# KiCad board poly_kb_wave_left.kicad_pcb (continued)
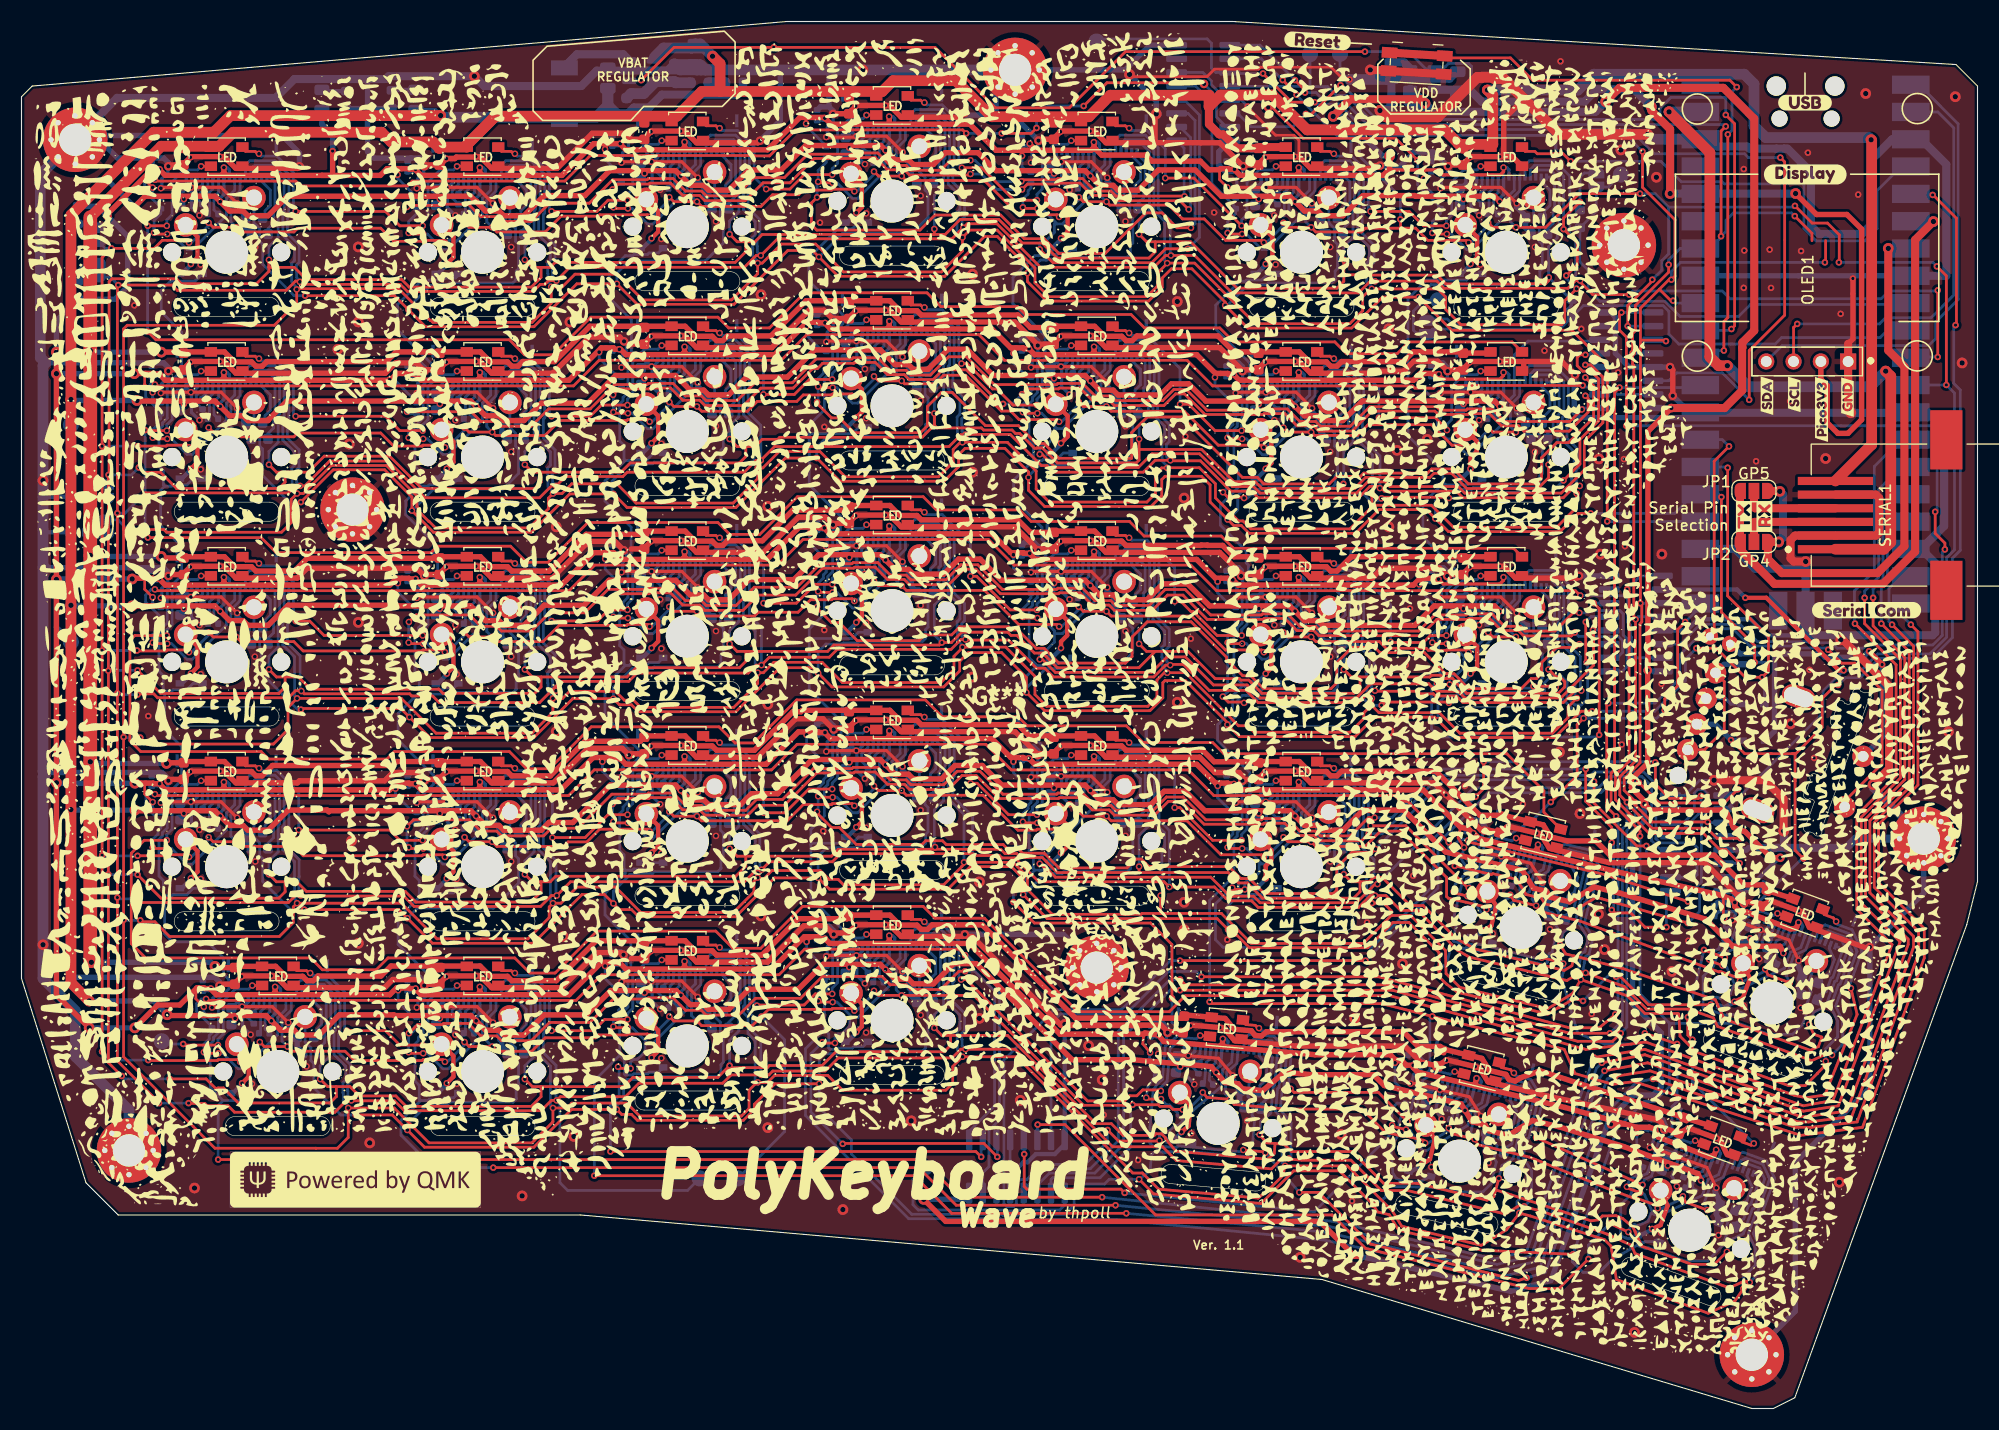
[diagram p0: board, top side]
## Routing (per net, layer and track width the routed paths; a pad name or vN(x,y) marks a point on that pad's centre or on a via; arc(x,y) is an arc through that point) (continued)
/K_3/LED_DIN: length 27
  Top w0.254: v3(87.5,115.4) 89.33,115.4 92.36,112.38 v3(94.48,112.38) ; LED5.2 98.58,117.92 v3(97.68,117.92) ; v3(84.01,121.46) 83.88,121.46 83.66,121.69 82.76,121.69 82.37,122.08
  Bottom w0.254: v3(87.5,115.4) 87.21,115.69 87.21,119.7 85.67,121.24 84.23,121.24 v3(84.01,121.46) ; v3(97.68,117.92) 97.34,117.58 96.1,117.58 94.98,116.47 94.98,113.42 94.48,112.93 v3(94.48,112.38)
/K_3/SW-D: length 5.8
  Top w0.4: v3(77.67,111.21) 78.2,111.74 78.2,113.84 SW_K_4.2
  Bottom w0.25: 76.6,110.27 76.81,110.27
  Bottom w0.4: v3(77.67,111.21) 77.67,111.14 76.81,110.27
/K_3/VCOMH: length 4.2
  Bottom w0.254: CONN4.15 84.25,118.9 85.07,118.09 85.07,116.65 84.57,116.16 84.57,115.61
/K_4/C1N: length 3.8
  Bottom w0.254: C6_5.2 98.87,113.87 98.87,115.06 99.3,115.49 CONN5.7
/K_4/C1P: length 3.6
  Bottom w0.254: C6_5.1 98.45,113.63 98.45,115.49 98.76,115.8 98.76,116.87 CONN5.6
/K_4/C2N: length 1.8
  Bottom w0.254: C5_5.2 97.81,115.51 98.3,116 CONN5.5
/K_4/C2P: length 3
  Bottom w0.254: C5_5.1 97.23,114.96 97.23,115.65 97.8,116.22 CONN5.4
/K_4/CS: length 49.1
  Top w0.254: v3(94.74,107.81) 95.99,106.57 105.16,106.57 106.45,107.86 v3(108.53,107.86) ; v3(94.53,111.62) 93.28,111.62 v3(93.18,111.72)
  Bottom w0.254: v3(108.53,107.86) 109.6,108.93 109.6,120.31 108.18,121.73 U4.4 ; v3(93.18,111.72) 93.18,112.47 93.66,112.96 93.66,113.26 93.93,113.52 R1_5.2 ; v3(94.53,111.62) 94.93,111.62 96.37,110.18 ; CONN5.10 100.8,115.69 100.04,114.93 100.04,113.35 96.86,110.18 96.11,110.18 96.11,109.39 95.38,108.66 95.02,108.66 94.74,108.38 v3(94.74,107.81)
/K_4/LED_DIN: length 26.2
  Top w0.254: v3(116.72,115.54) 117.63,115.54 LED6.2 ; 101.42,119.7 101.81,119.3 102.71,119.3 102.93,119.08 v3(103.06,119.08) ; v3(113.53,110) 109.09,114.44 v3(106.43,114.44)
  Bottom w0.254: v3(106.43,114.44) 106.43,117.16 104.72,118.86 103.28,118.86 v3(103.06,119.08) ; v3(116.72,115.54) 116.39,115.2 115.15,115.2 114.03,114.09 114.03,111.04 113.53,110.55 v3(113.53,110)
/K_4/SW-D: length 5.9
  Top w0.4: SW_K_5.2 97.34,111.36 97.34,109.45 v3(96.72,108.83)
  Bottom w0.25: 95.65,107.89 95.86,107.89
  Bottom w0.4: v3(96.72,108.83) 96.72,108.76 95.86,107.89
/K_4/VCOMH: length 4.2
  Bottom w0.254: CONN5.15 103.3,116.52 104.14,115.68 104.14,114.3 103.62,113.77 103.62,113.23
/K_5/C1N: length 3.8
  Bottom w0.254: CONN6.7 118.35,113.11 117.92,112.68 117.92,111.49 C6_6.2
/K_5/C1P: length 3.6
  Bottom w0.254: CONN6.6 117.81,114.49 117.81,113.42 117.5,113.11 117.5,111.25 C6_6.1
/K_5/C2N: length 1.8
  Bottom w0.254: C5_6.2 116.86,113.13 117.35,113.62 CONN6.5
/K_5/C2P: length 3
  Bottom w0.254: C5_6.1 116.28,112.58 116.28,113.27 116.85,113.84 CONN6.4
/K_5/CS: length 30
  Top w0.254: v3(113.58,109.24) 112.33,109.24 v3(112.22,109.34)
  Bottom w0.25: R1_6.2 112.97,111.71 110.76,113.92 110.76,121.48 109.24,123 U4.5
  Bottom w0.254: R1_6.2 112.97,111.14 112.22,110.39 v3(112.22,109.34) ; CONN6.10 119.85,113.31 119.09,112.55 119.09,110.97 115.91,107.8 115.42,107.8 113.98,109.24 v3(113.58,109.24)
/K_5/LED_DIN: length 25.6
  Top w0.254: v3(132.58,110) 130.46,110 129.12,111.34 v3(125.53,111.34) ; LED7.2 136.68,115.54 v3(135.78,115.54) ; v3(122.11,116.7) 121.98,116.7 121.76,116.92 120.86,116.92 120.47,117.32
  Bottom w0.254: v3(132.58,110) 132.58,110.55 133.08,111.04 133.08,114.09 134.2,115.2 135.44,115.2 v3(135.78,115.54) ; v3(122.11,116.7) 122.33,116.48 123.77,116.48 125.31,114.94 125.31,111.55 v3(125.53,111.34)
/K_5/SW-D: length 5.9
  Top w0.4: SW_K_6.2 116.39,108.98 116.39,107.07 v3(115.77,106.45)
  Bottom w0.25: 114.7,105.51 114.91,105.51
  Bottom w0.4: v3(115.77,106.45) 115.77,106.37 114.91,105.51
/K_5/VCOMH: length 4.2
  Bottom w0.254: CONN6.15 122.35,114.14 123.17,113.32 123.17,111.89 122.67,111.39 122.67,110.84
/K_A/C1N: length 3.8
  Bottom w0.254: C6_16.2 41.72,73.39 41.72,74.58 42.15,75.01 CONN16.7
/K_A/C1P: length 3.6
  Bottom w0.254: CONN16.6 41.61,76.39 41.61,75.32 41.3,75.01 41.3,73.15 C6_16.1
/K_A/C2N: length 1.8
  Bottom w0.254: C5_16.2 40.66,75.03 41.15,75.52 CONN16.5
/K_A/C2P: length 3
  Bottom w0.254: CONN16.4 40.65,75.74 40.08,75.17 40.08,74.48 C5_16.1
/K_A/CS: length 147.7
  Top w0.254: v3(37.38,71.14) 36.13,71.14 v3(36.02,71.24) ; v3(144.95,74.01) 144.38,74.01 142.68,72.31 139.91,72.31 139.46,72.75 137.99,72.75 136.83,73.91 134.53,73.91 134.42,73.8 131.5,73.8 130,72.31 120.86,72.31 120.41,72.75 118.94,72.75 117.78,73.91 115.48,73.91 115.37,73.8 110.65,73.8 108.28,76.17 106.42,76.17 104.93,74.69 101.81,74.69 101.36,75.13 99.89,75.13 98.73,76.29 96.43,76.29 96.32,76.19 91.27,76.19 88.98,78.47 87.42,78.47 86.01,77.07 82.76,77.07 82.31,77.51 80.84,77.51 79.68,78.68 77.38,78.68 77.27,78.57 74.33,78.57 72.16,76.39 68.18,76.39 66.48,74.69 63.71,74.69 63.26,75.13 61.79,75.13 60.63,76.29 58.33,76.29 58.22,76.19 54.57,76.19 52.39,74.01 49.13,74.01 47.43,72.31 44.66,72.31 44.21,72.75 42.74,72.75 41.69,73.8 36.7,73.8 v3(36.05,73.15)
  Bottom w0.254: v3(144.95,74.01) 145.7,74.01 145.9,74.21 148.73,74.21 149.03,73.91 149.03,71.94 149.38,71.59 149.38,68.99 148.95,68.55 U6.1 ; R1_16.2 36.38,73.49 v3(36.05,73.15) 36.02,73.13 v3(36.02,71.24) ; v3(37.38,71.14) 37.78,71.14 39.22,69.7 39.71,69.7 42.89,72.87 42.89,74.45 43.65,75.21 CONN16.10
/K_A/LED_DIN: length 25.5
  Top w0.254: v3(56.38,74.28) 54.62,74.28 53.59,73.25 49.33,73.25 v3(49.32,73.24) ; v3(45.91,78.6) 45.78,78.6 45.56,78.82 44.66,78.82 44.26,79.22 ; 60.49,79.82 60.48,79.82 v3(59.57,79.82)
  Bottom w0.254: v3(45.91,78.6) 46.13,78.38 47.57,78.38 49.11,76.84 49.11,73.45 v3(49.32,73.24) ; v3(59.57,79.82) 59.24,79.48 58,79.48 56.88,78.37 56.88,75.32 56.38,74.83 v3(56.38,74.28)
/K_A/LED_DOUT: length 30.4
  Top w0.254: LED16.2 41.43,77.44 v3(40.52,77.44) ; 20.45,79.22 20.85,78.82 21.75,78.82 21.97,78.6 v3(22.1,78.6) ; v3(25.51,73.24) 26.82,73.24 28.16,71.9 v3(37.33,71.9)
  Bottom w0.254: v3(37.33,71.9) 37.33,72.45 37.83,72.94 37.83,75.99 38.95,77.1 40.19,77.1 v3(40.52,77.44) ; v3(22.1,78.6) 22.32,78.38 23.76,78.38 25.3,76.84 25.3,73.45 v3(25.51,73.24)
/K_A/SW-D: length 5.9
  Top w0.4: v3(39.57,68.35) 40.19,68.97 40.19,70.88 SW_K_16.2
  Bottom w0.25: 38.5,67.41 38.71,67.41
  Bottom w0.4: 38.71,67.41 39.57,68.27 v3(39.57,68.35)
/K_A/VCOMH: length 4.2
  Bottom w0.254: 46.47,72.74 46.47,73.29 46.97,73.79 46.97,75.22 46.15,76.04 CONN16.15
/K_B1/C1N: length 3.8
  Bottom w0.254: CONN29.7 23.1,36.91 22.67,36.48 22.67,35.29 C6_29.2
/K_B1/C1P: length 3.6
  Bottom w0.254: CONN29.6 22.56,38.29 22.56,37.22 22.25,36.91 22.25,35.05 C6_29.1
/K_B1/C2N: length 1.8
  Bottom w0.254: C5_29.2 21.61,36.93 22.1,37.42 CONN29.5
/K_B1/C2P: length 3
  Bottom w0.254: CONN29.4 21.6,37.64 21.03,37.07 21.03,36.38 C5_29.1
/K_B1/CS: length 116.2
  Top w0.254: v3(16.98,33.14) 17.07,33.04 v3(18.32,33.04) ; v3(17.18,38.09) 17.3,37.96 51.61,37.96 53.99,40.34 70.49,40.34 72.87,42.72 87.23,42.72 v3(87.8,42.16)
  Bottom w0.25: 16.31,36.92 17.73,35.51 R1_29.2
  Bottom w0.254: R1_29.2 17.73,34.94 17.46,34.67 17.46,34.38 16.98,33.89 v3(16.98,33.14) ; 16.31,36.92 16.3,36.93 16.3,37.65 16.73,38.09 v3(17.18,38.09) ; CONN29.10 24.6,37.11 23.84,36.35 23.84,34.77 20.66,31.6 20.17,31.6 18.73,33.04 v3(18.32,33.04) ; U8.15 89.45,21.92 90.02,22.5 90.02,25.88 91,26.86 91,39.15 88,42.16 v3(87.8,42.16)
/K_B1/LED_DIN: length 25.6
  Top w0.254: v3(37.33,33.8) 35.21,33.8 33.87,35.14 v3(30.27,35.14) ; LED30.2 41.43,39.34 v3(40.52,39.34) ; 25.21,41.12 25.61,40.72 26.51,40.72 26.73,40.5 v3(26.86,40.5)
  Bottom w0.254: v3(30.27,35.14) 30.06,35.35 30.06,38.74 28.52,40.28 27.08,40.28 v3(26.86,40.5) ; v3(37.33,33.8) 37.33,34.35 37.83,34.84 37.83,37.89 38.95,39 40.19,39 v3(40.52,39.34)
/K_B1/LED_DOUT: length 13.9
  Top w0.254: v4(15.05,33.9) 15.15,33.8 v3(18.28,33.8) ; v3(21.48,39.34) 22.38,39.34 LED29.2
  Bottom w0.254: TP2.1 13.3,33.9 v4(15.05,33.9) ; v3(18.28,33.8) 18.28,34.35 18.78,34.84 18.78,37.89 19.9,39 21.14,39 v3(21.48,39.34)
/K_B1/SW-D: length 5.9
  Top w0.4: v3(20.52,30.25) 21.14,30.87 21.14,32.78 SW_K_29.2
  Bottom w0.25: 19.45,29.31 19.66,29.31
  Bottom w0.4: 19.66,29.31 20.52,30.17 v3(20.52,30.25)
/K_B1/VCOMH: length 4.2
  Bottom w0.254: 27.42,34.64 27.42,35.19 27.92,35.69 27.92,37.12 27.1,37.94 CONN29.15
/K_B2/C1N: length 3.8
  Bottom w0.254: CONN30.7 42.15,36.91 41.72,36.48 41.72,35.29 C6_30.2
/K_B2/C1P: length 3.6
  Bottom w0.254: C6_30.1 41.3,35.05 41.3,36.91 41.61,37.22 41.61,38.29 CONN30.6
/K_B2/C2N: length 1.8
  Bottom w0.254: CONN30.5 41.15,37.42 40.66,36.93 C5_30.2
/K_B2/C2P: length 3
  Bottom w0.254: CONN30.4 40.65,37.64 40.08,37.07 40.08,36.38 C5_30.1
/K_B2/CS: length 91.5
  Top w0.254: v4(87.8,40.67) 87.23,40.67 85.53,38.97 82.76,38.97 82.31,39.41 80.84,39.41 80.07,40.18 74.52,40.18 72.49,38.15 68.3,38.15 66.74,36.59 63.71,36.59 63.26,37.03 61.79,37.03 60.63,38.19 58.33,38.19 58.22,38.09 55.07,38.09 52.89,35.9 49.7,35.9 49.7,35.91 49.13,35.91 47.43,34.21 44.66,34.21 44.21,34.65 42.74,34.65 41.58,35.81 39.28,35.81 39.17,35.7 36.85,35.7 v3(36.05,34.9) ; v3(37.38,33.04) 36.13,33.04 v3(36.02,33.14)
  Bottom w0.254: v4(87.8,40.67) 88.71,40.67 90.55,38.83 90.55,28.15 88.18,25.78 U8.1 ; CONN30.10 43.65,37.11 42.89,36.35 42.89,34.77 39.71,31.6 39.22,31.6 37.78,33.04 v3(37.38,33.04) ; R1_30.2 36.29,34.9 v3(36.05,34.9) 36.02,34.88 v3(36.02,33.14)
/K_B2/LED_DIN: length 25.5
  Top w0.254: v3(45.91,40.5) 45.78,40.5 45.56,40.72 44.66,40.72 44.26,41.12 ; v3(49.32,35.14) 53.21,35.14 54.26,36.18 v3(56.38,36.18) ; 60.49,41.72 60.48,41.72 v3(59.57,41.72)
  Bottom w0.254: v3(49.32,35.14) 49.11,35.35 49.11,38.74 47.57,40.28 46.13,40.28 v3(45.91,40.5) ; v3(56.38,36.18) 56.38,36.73 56.88,37.22 56.88,40.27 58,41.38 59.24,41.38 v3(59.57,41.72)
/K_B2/SW-D: length 5.9
  Top w0.4: v3(39.57,30.25) 40.19,30.87 40.19,32.78 SW_K_30.2
  Bottom w0.25: 38.5,29.31 38.71,29.31
  Bottom w0.4: v3(39.57,30.25) 39.57,30.17 38.71,29.31
/K_B2/VCOMH: length 4.2
  Bottom w0.254: CONN30.15 46.15,37.94 46.97,37.12 46.97,35.69 46.47,35.19 46.47,34.64
/K_B3/C1N: length 3.8
  Bottom w0.254: CONN31.7 61.2,39.29 60.77,38.86 60.77,37.67 C6_31.2
/K_B3/C1P: length 3.6
  Bottom w0.254: CONN31.6 60.66,40.67 60.66,39.6 60.35,39.29 60.35,37.43 C6_31.1
/K_B3/C2N: length 1.8
  Bottom w0.254: C5_31.2 59.71,39.31 60.2,39.8 CONN31.5
/K_B3/C2P: length 3
  Bottom w0.254: C5_31.1 59.13,38.76 59.13,39.45 59.7,40.02 CONN31.4
/K_B3/CS: length 64.5
  Top w0.254: v4(89.3,23.4) 88.8,23.9 v4(54.8,23.9) ; v3(55.51,31.79) 55.66,31.63 v3(56.68,31.63) ; v3(56.43,35.42) 55.18,35.42 v3(55.07,35.52)
  Bottom w0.254: U8.2 89.3,24.84 v4(89.3,23.4) ; CONN31.10 62.7,39.49 61.94,38.73 61.94,37.15 58.76,33.98 58.01,33.98 58.01,33.19 57.28,32.46 56.92,32.46 56.68,32.21 v3(56.68,31.63) ; R1_31.2 55.82,37.32 55.56,37.06 55.56,36.76 55.07,36.27 v3(55.07,35.52) ; v4(54.8,23.9) 54.8,28.27 55.61,29.08 55.61,31.66 55.47,31.8 ; 58.27,33.98 56.83,35.42 v3(56.43,35.42) ; 55.47,31.82 v3(55.51,31.79)
/K_B3/LED_DIN: length 25.6
  Top w0.254: v3(75.43,38.56) 73.86,38.56 72.82,37.53 68.5,37.53 v3(68.43,37.46) ; 63.32,43.5 63.71,43.1 64.61,43.1 64.83,42.88 v3(64.96,42.88) ; LED32.2 79.53,44.1 v3(78.62,44.1)
  Bottom w0.254: v3(75.43,38.56) 75.43,39.11 75.93,39.6 75.93,42.65 77.05,43.77 78.29,43.77 v3(78.62,44.1) ; v3(68.43,37.46) 68.16,37.73 68.16,41.12 66.62,42.66 65.18,42.66 v3(64.96,42.88)
/K_B3/SW-D: length 5.9
  Top w0.4: SW_K_31.2 59.24,35.16 59.24,33.25 v3(58.62,32.63)
  Bottom w0.25: 57.55,31.69 57.76,31.69
  Bottom w0.4: v3(58.62,32.63) 58.62,32.56 57.76,31.69
/K_B3/VCOMH: length 4.2
  Bottom w0.254: CONN31.15 65.2,40.32 66.02,39.51 66.02,38.07 65.52,37.57 65.52,37.03
/K_B4/C1N: length 3.8
  Bottom w0.254: CONN32.7 80.25,41.67 79.82,41.24 79.82,40.05 C6_32.2
/K_B4/C1P: length 3.6
  Bottom w0.254: CONN32.6 79.71,43.05 79.71,41.98 79.4,41.67 79.4,39.81 C6_32.1
/K_B4/C2N: length 1.8
  Bottom w0.254: CONN32.5 79.25,42.18 78.76,41.7 C5_32.2
/K_B4/C2P: length 3
  Bottom w0.254: CONN32.4 78.75,42.4 78.18,41.83 78.18,41.14 C5_32.1
/K_B4/CS: length 47.5
  Top w0.254: v3(74.52,34.06) 74.59,33.99 v3(75.69,33.99) ; v4(76.41,24.62) 76.45,24.65 89.55,24.65 v4(90.8,23.4) ; v3(75.47,37.8) 74.22,37.8 v3(74.12,37.9)
  Bottom w0.254: v3(74.12,37.9) 74.12,38.65 74.61,39.14 74.61,39.44 74.88,39.7 R1_32.2 ; U8.3 90.8,24.91 v4(90.8,23.4) ; v4(76.41,24.62) 73.45,27.58 73.45,32.98 v3(74.52,34.06) ; CONN32.10 81.75,41.87 80.99,41.11 80.99,39.53 77.81,36.36 77.06,36.36 77.06,35.57 76.33,34.84 75.97,34.84 75.69,34.56 v3(75.69,33.99) ; 77.32,36.36 75.88,37.8 v3(75.47,37.8)
/K_B4/LED_DIN: length 41.7
  Top w0.254: v3(84.01,45.26) 83.88,45.26 83.66,45.49 82.76,45.49 82.37,45.88 ; v3(87.43,39.9) 87.9,39.9 99.2,28.6 102.63,28.6 103.12,29.09 103.78,29.09 104.33,29.64 105.91,29.64 v3(106.01,29.54) ; LED33.2 110.58,34.61 v3(109.68,34.69)
  Bottom w0.254: v3(109.68,34.69) 109.31,34.39 108.07,34.49 106.86,33.48 106.6,30.44 106.01,29.86 v3(106.01,29.54) ; v3(84.01,45.26) 84.23,45.04 85.67,45.04 87.21,43.5 87.21,40.11 v3(87.43,39.9)
/K_B4/SW-D: length 5.8
  Top w0.4: v3(77.67,35.01) 78.2,35.54 78.2,37.64 SW_K_32.2
  Bottom w0.25: 76.6,34.07 76.81,34.07
  Bottom w0.4: v3(77.67,35.01) 77.67,34.94 76.81,34.07
/K_B4/VCOMH: length 4.2
  Bottom w0.254: 84.57,39.41 84.57,39.96 85.07,40.45 85.07,41.89 84.25,42.7 CONN32.15
/K_B5/C1N: length 3.8
  Bottom w0.254: CONN33.7 111.08,32.13 110.61,31.74 110.51,30.55 C6_33.2
/K_B5/C1P: length 3.6
  Bottom w0.254: C6_33.1 110.07,30.35 110.24,32.2 110.57,32.49 110.66,33.55 CONN33.6
/K_B5/C2N: length 1.8
  Bottom w0.254: CONN33.5 110.13,32.72 109.6,32.28 C5_33.2
/K_B5/C2P: length 3
  Bottom w0.254: C5_33.1 108.97,31.79 109.03,32.47 109.65,32.99 CONN33.4
/K_B5/CS: length 44.6
  Top w0.254: v3(106.03,28.78) 104.78,28.78 v3(104.65,28.91) ; v3(105.88,24.92) 105.83,24.88 102.07,24.88 v4(101.05,25.9)
  Bottom w0.254: v4(101.05,25.9) 101.05,24.8 98.95,22.7 94.95,22.7 93.54,21.29 92.93,21.29 92.56,20.93 92.56,19.04 92.31,18.79 91.66,18.79 91.41,19.04 91.41,22.51 91.99,23.09 U8.4 ; 108.11,26.79 107.7,27.09 107.56,27.23 107.56,27.49 106.81,28.24 106.55,28.24 106.03,28.76 v3(106.03,28.78) ; 108.11,26.79 107.64,26.33 107.38,26.33 106.59,25.67 106.23,25.7 105.88,25.35 v3(105.88,24.92) ; 108.11,26.79 109.25,27.94 111.63,29.93 111.77,31.51 112.59,32.2 CONN33.10 ; v3(104.65,28.91) 104.8,29.9 R1_33.2
/K_B5/LED_DIN: length 30.2
  Top w0.254: v3(118.08,29.74) 118.41,29.4 126.25,29.4 v3(128.96,26.69) ; v3(133.35,31.33) 134.23,31.12 LED34.2 ; v3(115.14,35.38) 115.02,35.39 114.81,35.63 113.92,35.71 113.56,36.14
  Bottom w0.254: v3(115.14,35.38) 115.34,35.14 116.78,35.02 118.18,33.34 117.88,29.97 v3(118.08,29.74) ; v3(128.96,26.69) 129.09,27.23 129.68,27.59 130.39,30.55 131.74,31.38 132.95,31.09 v3(133.35,31.33)
/K_B5/SW-D: length 5.9
  Top w0.4: SW_K_33.2 108.77,28.19 108.6,26.28 v3(107.93,25.72)
  Bottom w0.25: 106.78,24.88 106.99,24.86
  Bottom w0.4: 106.99,24.86 107.93,25.64 v3(107.93,25.72)
/K_B5/VCOMH: length 4.2
  Bottom w0.254: CONN33.15 115.16,32.81 115.9,31.92 115.78,30.5 115.24,30.04 115.19,29.5
/K_B6/C1N: length 3.8
  Bottom w0.254: C6_34.2 133.57,27.12 133.85,28.27 134.37,28.59 CONN34.7
/K_B6/C1P: length 3.6
  Bottom w0.254: C6_34.1 133.11,26.98 133.54,28.79 133.92,29.02 134.16,30.06 CONN34.6
/K_B6/C2N: length 1.8
  Bottom w0.254: C5_34.2 132.93,28.96 133.51,29.32 CONN34.5
/K_B6/C2P: length 3
  Bottom w0.254: C5_34.1 132.23,28.57 132.39,29.23 133.08,29.66 CONN34.4
/K_B6/CS: length 58.5
  Top w0.254: v3(127.53,26.36) 127.61,26.24 v3(128.82,25.94) ; v4(93.3,23.65) 93.3,20.65 93.55,20.4 102.3,20.4 v4(102.65,20.05)
  Bottom w0.254: v4(102.65,20.05) 120.3,18.3 127.53,25.64 v3(127.53,26.36) 127.5,27.9 128,28.4 R1_34.2 ; v4(93.3,23.65) 93.3,24.95 U8.5 ; CONN34.10 135.87,28.44 134.95,27.88 134.58,26.34 130.76,24 130.39,24 130.28,24.11 129.21,25.85 v3(128.82,25.94)
/K_B6/LED_DIN: length 28.9
  Top w0.254: v3(138.86,31.21) 138.74,31.24 138.58,31.51 137.7,31.72 137.41,32.2 ; v3(155.73,24.91) 156.58,24.6 LED35.2 ; v3(140.93,25.2) v3(150.83,20.79)
  Bottom w0.254: v3(155.73,24.91) 155.3,24.71 154.13,25.13 152.7,24.47 151.65,21.6 151.02,21.31 v3(150.83,20.79) ; v3(140.93,25.2) 140.78,25.45 141.57,28.75 140.43,30.61 139.03,30.94 v3(138.86,31.21)
/K_B6/SW-D: length 5.9
  Top w0.4: v3(130.31,22.72) 131.05,23.18 131.5,25.04 SW_K_34.2
  Bottom w0.25: 129.04,22.06 129.25,22.01
  Bottom w0.4: v3(130.31,22.72) 130.29,22.65 129.25,22.01
/K_B6/VCOMH: length 4.2
  Bottom w0.254: CONN34.15 138.5,28.66 139.1,27.68 138.77,26.29 138.17,25.92 138.04,25.38
/K_B7/C1N: length 3.8
  Bottom w0.254: C6_35.2 155.46,20.7 155.87,21.81 156.42,22.07 CONN35.7
/K_B7/C1P: length 3.6
  Bottom w0.254: C6_35.1 154.99,20.61 155.63,22.36 156.02,22.55 156.39,23.55 CONN35.6
/K_B7/C2N: length 1.8
  Bottom w0.254: CONN35.5 155.66,22.89 155.04,22.6 C5_35.2
/K_B7/C2P: length 3
  Bottom w0.254: CONN35.4 155.27,23.27 154.53,22.93 154.29,22.28 C5_35.1
/K_B7/CS: length 83.7
  Top w0.254: v3(149.52,16.41) v3(147.8,17.2) ; v3(150.61,20.06) 149.44,20.49 v3(149.38,20.62) ; v4(145.8,13.9) 143.05,11.15 140.3,11.15 125.05,14.9 121.95,18 105.52,18 102.82,20.7 102.8,20.7 97.1,26.4 v4(94.55,26.4)
  Bottom w0.254: v3(150.61,20.06) 150.99,19.93 151.85,18.08 ; v3(149.52,16.41) 149.71,16.95 150.07,17.12 150.41,16.99 151.34,17.43 151.61,18.17 152.32,17.91 156.38,19.81 156.92,21.29 157.9,21.75 CONN35.10 ; v3(149.38,20.62) 149.64,21.33 150.26,21.62 150.36,21.9 150.7,22.05 R1_35.2 ; v4(145.8,13.9) 145.8,15.2 v3(147.8,17.2) ; U8.6 94.53,26.38 v4(94.55,26.4)
/K_B7/LED_DIN: length 33.2
  Top w0.254: v4(155.05,36.4) 155.05,34.73 v4(155.47,34.3) ; v3(163.39,46.05) 164.24,45.74 LED36.2 ; v3(158.49,41.93) 156.49,42.66 v4(156.55,42.65) ; 159.85,25.31 160.09,24.79 160.93,24.49 161.1,24.65 v3(161.19,24.65)
  Bottom w0.254: v3(163.39,46.05) 162.96,45.85 161.79,46.27 160.36,45.61 159.31,42.74 158.68,42.45 v3(158.49,41.93) ; v3(161.19,24.65) 155.47,30.37 v4(155.47,34.3) ; v4(156.55,42.65) v4(155.05,36.4)
/K_B7/SW-D: length 5.9
  Top w0.4: SW_K_35.2 153.17,18.86 152.52,17.06 v3(151.73,16.69)
  Bottom w0.25: 150.39,16.18 150.59,16.11
  Bottom w0.4: v3(151.73,16.69) 151.7,16.62 150.59,16.11
/K_B7/VCOMH: length 4.2
  Bottom w0.254: CONN35.15 160.54,21.67 161.02,20.62 160.53,19.28 159.9,18.98 159.71,18.46
/K_B8/C1N: length 3.8
  Bottom w0.254: CONN36.7 164.08,43.21 163.53,42.95 163.12,41.84 C6_36.2
/K_B8/C1P: length 3.6
  Bottom w0.254: C6_36.1 162.65,41.75 163.29,43.5 163.68,43.69 164.05,44.69 CONN36.6
/K_B8/C2N: length 1.8
  Bottom w0.254: CONN36.5 163.32,44.03 162.7,43.74 C5_36.2
/K_B8/C2P: length 3
  Bottom w0.254: CONN36.4 162.92,44.41 162.19,44.07 161.95,43.42 C5_36.1
/K_B8/CS: length 98.8
  Top w0.254: v3(158.27,41.2) 157.1,41.63 v3(157.04,41.76) ; v4(148.37,40.15) 148.78,40.15 151.38,37.55 v3(157.17,37.55) ; v4(148.3,36.65) 146.8,35.4 144.05,35.4 126.3,40.15 v4(109.8,40.15)
  Bottom w0.254: v4(148.37,40.15) 148.55,39.98 148.55,36.91 v4(148.3,36.65) ; v3(157.04,41.76) 157.29,42.47 157.92,42.76 158.02,43.04 158.36,43.19 R1_36.2 ; v4(109.8,40.15) 109.3,40.65 106.72,40.65 102.77,36.7 96.67,36.7 95.8,35.83 U8.7 ; CONN36.10 165.56,42.89 164.58,42.43 164.04,40.95 159.97,39.05 159.27,39.31 159,38.57 158.07,38.13 157.73,38.25 157.37,38.09 v3(157.17,37.55) ; 159.51,39.22 158.65,41.07 v3(158.27,41.2)
/K_B8/LED_DIN: length 210.6
  Top w0.254: v3(170.22,39.09) 170.8,36.65 167.8,29.15 166.05,28.9 165.01,29.11 151.11,34.09 149.8,33.9 145.55,33.4 127.3,38.4 108.3,38.4 106.8,36.9 98.3,36.9 89.6,45.6 85,45.6 83.9,46.7 72.68,46.7 68.78,42.8 66.2,42.8 64.6,44.4 53.55,44.4 49.65,40.5 47.3,40.5 45.9,41.9 34.1,41.9 33,40.8 28,40.8 26.9,41.9 11.55,41.9 10.21,43.24 10.21,51.64 11.42,52.85 v3(13.52,52.85) ; v3(16.71,58.39) 17.62,58.39 LED22.2 ; 167.51,46.45 167.75,45.93 168.59,45.63 168.73,45.34 v3(168.85,45.3)
  Bottom w0.254: v3(16.71,58.39) 16.38,58.05 15.13,58.05 14.01,56.94 14.01,53.89 13.52,53.4 v3(13.52,52.85) ; v3(170.22,39.09) 170.09,39.36 171.25,42.55 170.33,44.52 168.98,45.02 v3(168.85,45.3)
/K_B8/SW-D: length 5.9
  Top w0.4: v3(159.38,37.83) 160.17,38.2 160.83,40 SW_K_36.2
  Bottom w0.25: 158.05,37.32 158.25,37.25
  Bottom w0.4: v3(159.38,37.83) 159.36,37.76 158.25,37.25
/K_B8/VCOMH: length 4.2
  Bottom w0.254: CONN36.15 168.19,42.81 168.68,41.76 168.19,40.42 167.55,40.12 167.37,39.6
/K_B/C1N: length 3.8
  Bottom w0.254: CONN27.7 118.35,55.96 117.92,55.53 117.92,54.34 C6_27.2
/K_B/C1P: length 3.6
  Bottom w0.254: C6_27.1 117.5,54.1 117.5,55.96 117.81,56.27 117.81,57.34 CONN27.6
/K_B/C2N: length 1.8
  Bottom w0.254: CONN27.5 117.35,56.47 116.86,55.98 C5_27.2
/K_B/C2P: length 3
  Bottom w0.254: C5_27.1 116.28,55.43 116.28,56.12 116.85,56.69 CONN27.4
/K_B/CS: length 90
  Top w0.254: v3(112.65,48.45) 112.82,48.28 v3(113.82,48.28) ; v4(136.05,60.15) 136.05,57.65 v4(135.3,56.9) ; v3(112.22,52.19) 112.33,52.09 v3(113.58,52.09) ; v4(156.27,56.98) 156.03,56.74 153.35,56.74 152.02,58.07 v4(152.02,60.09)
  Bottom w0.254: CONN27.10 119.85,56.16 119.09,55.4 119.09,53.82 115.91,50.65 115.16,50.65 115.16,49.86 114.43,49.13 114.07,49.13 113.82,48.88 v3(113.82,48.28) ; v3(113.58,52.09) 113.98,52.09 115.42,50.65 ; U7.5 153.96,53.22 156.04,55.29 156.04,55.33 156.27,55.56 v4(156.27,56.98) ; v3(112.65,48.45) 112.65,48.46 112.62,48.49 ; R1_27.2 112.97,53.99 112.71,53.72 112.71,53.43 112.22,52.94 v3(112.22,52.19) ; 112.62,48.47 111.1,46.94 111.1,43.6 111.8,42.9 125.65,42.9 131.39,48.65 131.39,53 v4(135.3,56.9) ; v4(152.02,60.09) 151.96,60.15 v4(136.05,60.15)
/K_B/LED_DIN: length 29.6
  Top w0.254: LED28.2 139.95,52.84 v3(139.07,53.05) ; v3(122.11,59.55) 121.98,59.55 121.76,59.77 120.86,59.77 120.47,60.17 ; v3(134.67,48.41) 134.59,48.41 128.81,54.19 v3(125.53,54.19)
  Bottom w0.254: v3(122.11,59.55) 122.33,59.33 123.77,59.33 125.31,57.79 125.31,54.4 v3(125.53,54.19) ; v3(134.67,48.41) 134.8,48.94 135.4,49.31 136.11,52.27 137.46,53.1 138.67,52.8 v3(139.07,53.05)
/K_B/LED_DOUT: length 26.5
  Top w0.254: v3(113.53,52.85) 110.83,52.85 107.79,55.88 v3(107.3,55.88) ; LED27.2 117.63,58.39 v3(116.72,58.39) ; v3(103.06,61.93) 102.93,61.93 102.71,62.15 101.81,62.15 101.42,62.55
  Bottom w0.254: v3(116.72,58.39) 116.39,58.05 115.15,58.05 114.03,56.94 114.03,53.89 113.53,53.4 v3(113.53,52.85) ; v3(103.06,61.93) 103.28,61.71 104.72,61.71 107.3,59.14 v3(107.3,55.88)
/K_B/SW-D: length 5.8
  Top w0.4: v3(115.77,49.3) 115.77,50.48 116.3,51 116.3,51.92 SW_K_27.2
  Bottom w0.25: 114.7,48.36 114.91,48.36
  Bottom w0.4: v3(115.77,49.3) 115.77,49.22 114.91,48.36
/K_B/VCOMH: length 4.2
  Bottom w0.254: CONN27.15 122.35,56.99 123.17,56.17 123.17,54.74 122.67,54.24 122.67,53.69
/K_C/C1N: length 3.8
  Bottom w0.254: C6_25.2 79.82,59.1 79.82,60.29 80.25,60.72 CONN25.7
/K_C/C1P: length 3.6
  Bottom w0.254: C6_25.1 79.4,58.86 79.4,60.72 79.71,61.03 79.71,62.1 CONN25.6
/K_C/C2N: length 1.8
  Bottom w0.254: CONN25.5 79.25,61.23 78.76,60.75 C5_25.2
/K_C/C2P: length 3
  Bottom w0.254: CONN25.4 78.75,61.45 78.18,60.88 78.18,60.19 C5_25.1
/K_C/CS: length 110.3
  Top w0.254: v3(125.99,52.04) 125.68,51.74 123.8,51.74 122.39,50.33 122.39,48.21 122.07,47.9 115.65,47.9 114.26,49.29 113.56,49.29 113.55,49.3 113.44,49.3 112.34,50.4 104.9,50.4 104.2,51.1 103.7,51.1 102.87,50.28 96.53,50.28 95.15,51.65 93.14,51.65 92.77,52.02 91.77,52.02 91.34,52.45 86.05,52.45 85.7,52.8 84.13,52.8 83.79,52.47 77.67,52.47 76.1,54.03 75.37,54.03 74.03,55.38 v3(74.03,55.5) ; v3(75.47,56.85) 74.22,56.85 v3(74.12,56.95) ; v4(146.32,58.31) 146.32,56.3 150.3,52.32 v4(151.19,52.32)
  Bottom w0.254: R1_25.2 74.88,58.75 74.61,58.49 74.61,58.19 74.12,57.7 v3(74.12,56.95) 74.12,55.6 v3(74.03,55.5) ; CONN25.10 81.75,60.92 80.99,60.16 80.99,58.58 77.81,55.41 77.32,55.41 75.88,56.85 v3(75.47,56.85) ; 152.88,50.63 152,50.63 151.19,51.44 v4(151.19,52.32) ; v4(146.32,58.31) 146.13,58.31 145.95,58.49 132.43,58.49 v3(125.99,52.04)
/K_C/LED_DIN: length 26.6
  Top w0.254: v3(94.48,55.23) 91.85,55.23 88.92,58.15 v3(88.3,58.15) ; v3(97.68,60.77) 98.58,60.77 LED26.2 ; 82.37,64.94 82.76,64.54 83.66,64.54 83.88,64.31 v3(84.01,64.31)
  Bottom w0.254: v3(94.48,55.23) 94.48,55.78 94.98,56.27 94.98,59.32 96.1,60.43 97.34,60.43 v3(97.68,60.77) ; v3(84.01,64.31) 84.23,64.09 85.67,64.09 88.3,61.47 v3(88.3,58.15)
/K_C/LED_DOUT: length 26.8
  Top w0.254: v3(75.43,57.61) 73.26,57.61 71.05,55.4 v3(69.05,55.4) ; 63.32,62.55 63.71,62.15 64.61,62.15 64.83,61.93 v3(64.96,61.93) ; LED25.2 79.53,63.15 v3(78.62,63.15)
  Bottom w0.254: v3(75.43,57.61) 75.43,58.16 75.93,58.65 75.93,61.7 77.05,62.82 78.29,62.82 v3(78.62,63.15) ; v3(64.96,61.93) 65.18,61.71 66.62,61.71 69.05,59.29 v3(69.05,55.4)
/K_C/SW-D: length 5.8
  Top w0.4: v3(77.67,54.06) 78.2,54.59 78.2,56.69 SW_K_25.2
  Bottom w0.25: 76.6,53.12 76.81,53.12
  Bottom w0.4: 76.81,53.12 77.67,53.99 v3(77.67,54.06)
/K_C/VCOMH: length 4.2
  Bottom w0.254: 84.57,58.46 84.57,59.01 85.07,59.5 85.07,60.94 84.25,61.75 CONN25.15
/K_D/C1N: length 3.8
  Bottom w0.254: CONN18.7 80.25,79.77 79.82,79.34 79.82,78.15 C6_18.2
/K_D/C1P: length 3.6
  Bottom w0.254: CONN18.6 79.71,81.15 79.71,80.08 79.4,79.77 79.4,77.91 C6_18.1
/K_D/C2N: length 1.8
  Bottom w0.254: C5_18.2 78.76,79.8 79.25,80.28 CONN18.5
